# KiCad board Marble.kicad_pcb (continued)
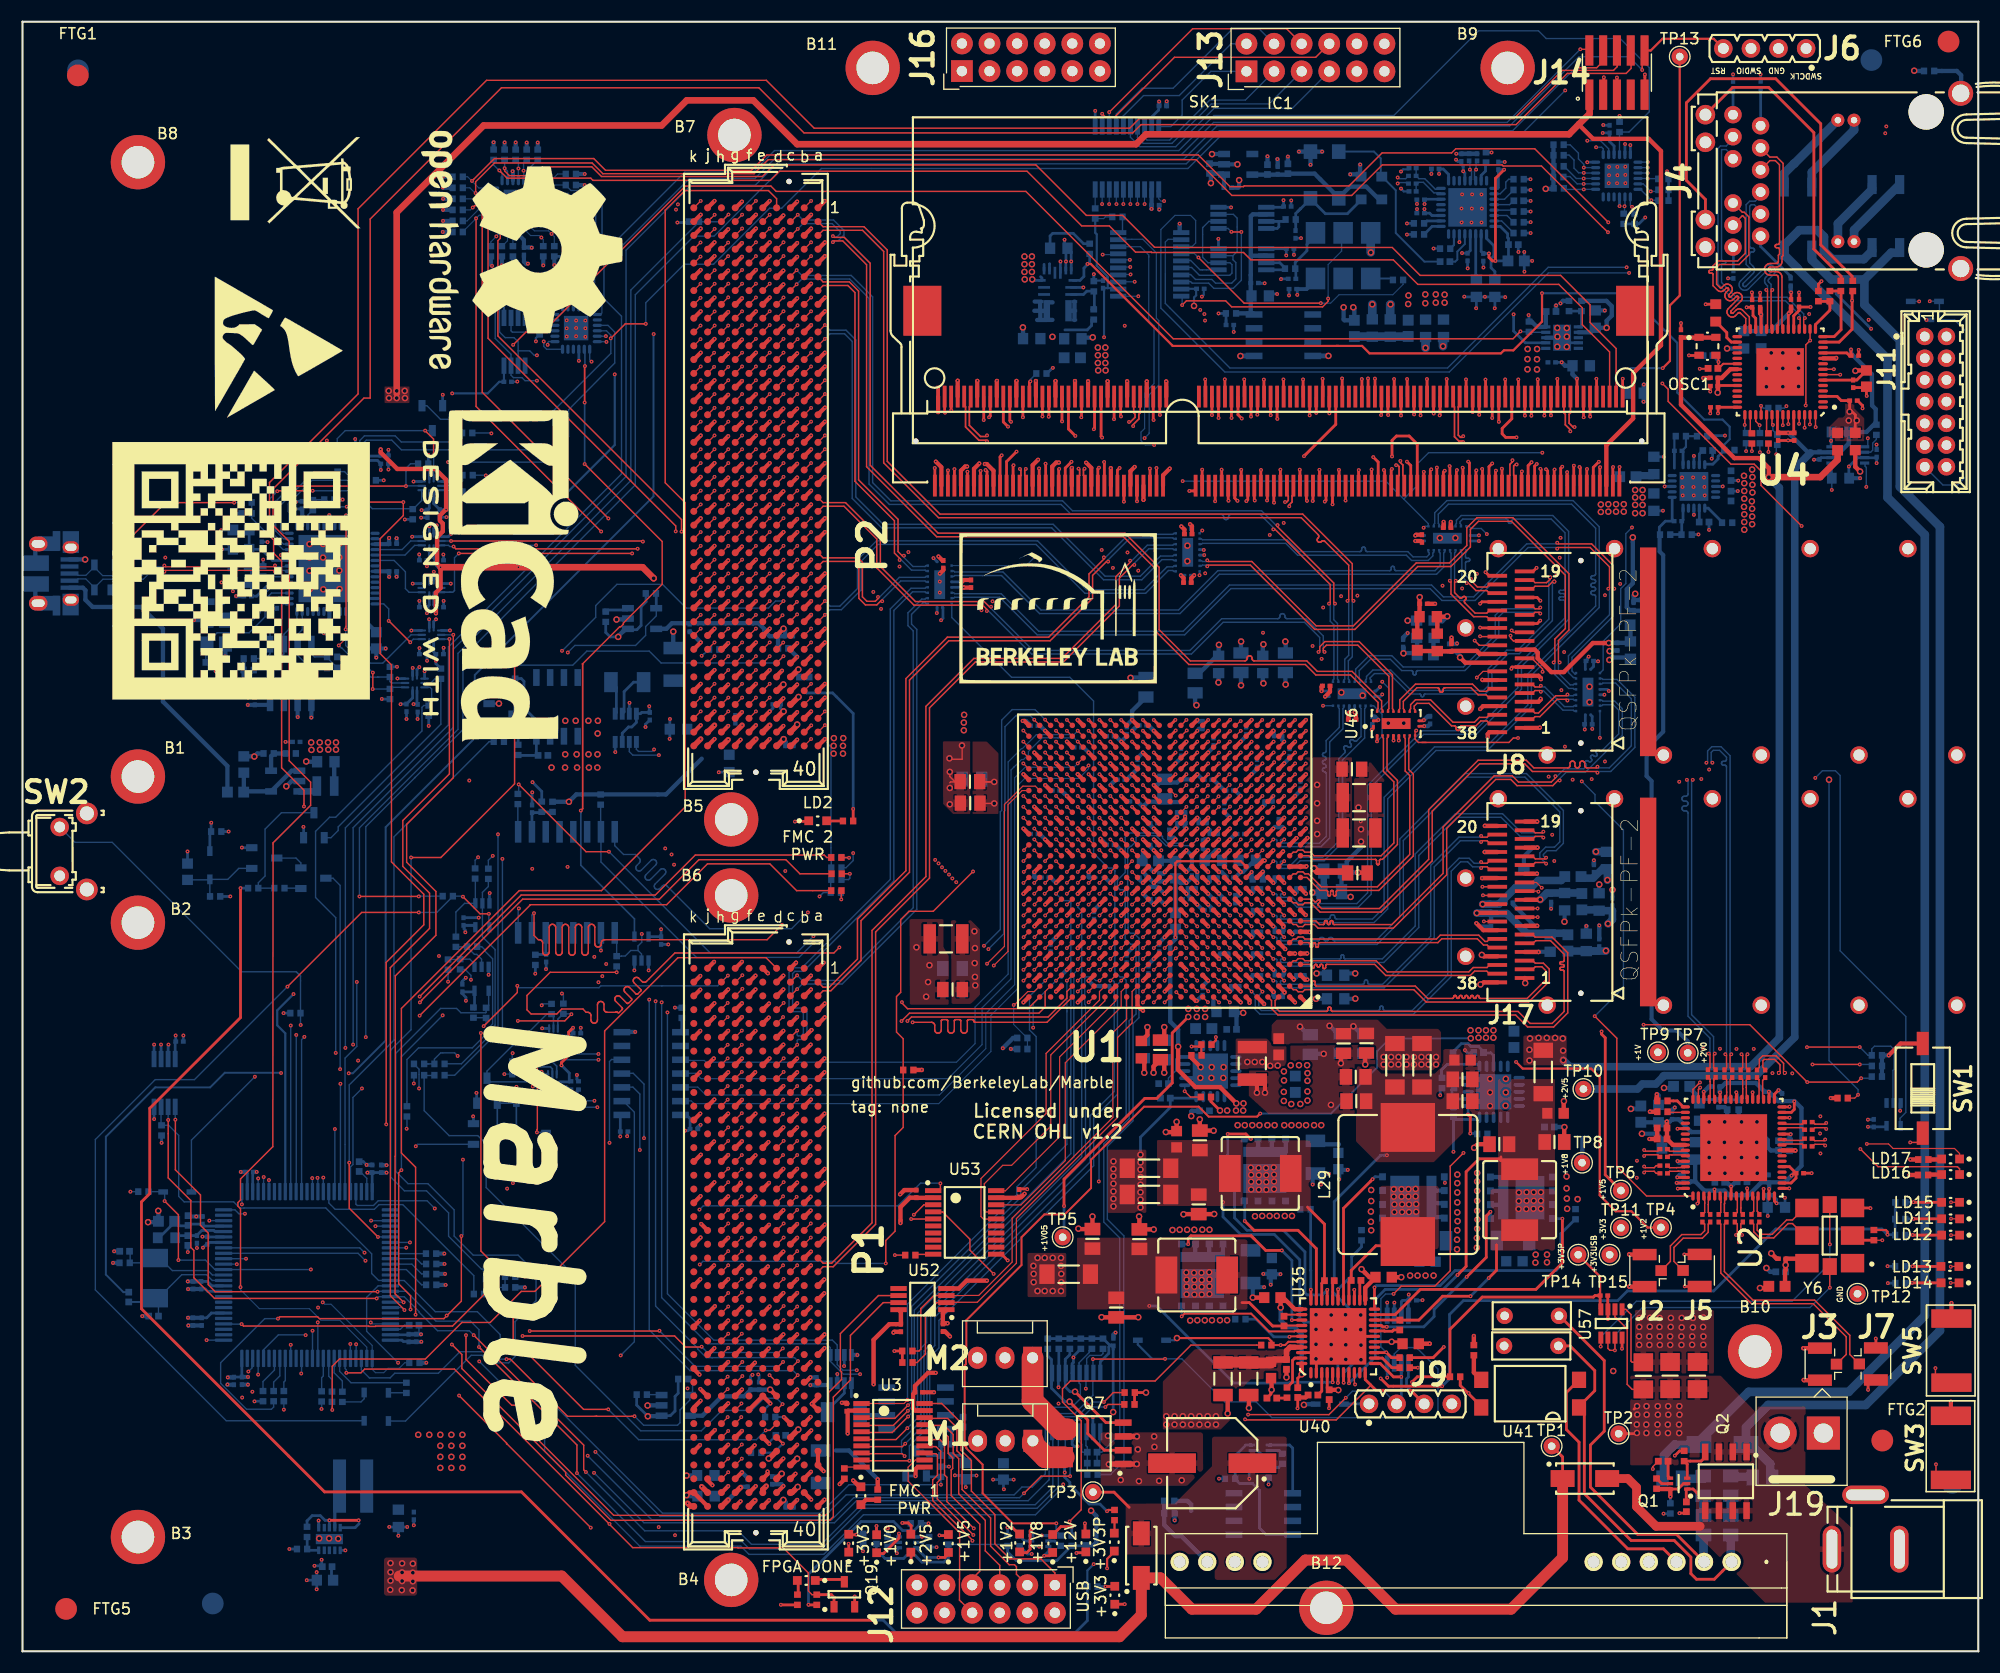
[diagram p0: board, top side]
## Routing (per net, layer and track width the routed paths; a pad name or vN(x,y) marks a point on that pad's centre or on a via; arc(x,y) is an arc through that point) (continued)
/SDRAM/DDR3_DQ10: length 44.3
  Top w0.254: U1.V18 v1(100.12,77.73) ; v1(93.56,108.88) 93.57,108.87 SK1.33
  In9.Cu w0.135: v1(93.56,108.88) 93.56,103.48 93.55,103.45 93.54,103.42 93.53,103.39 93.5,103.37 93.47,103.35 93.44,103.34 93.41,103.33 92.76,103.33 92.73,103.33 92.7,103.32 92.67,103.3 92.64,103.28 92.63,103.25 92.62,103.22 92.61,103.18 92.62,103.15 92.63,103.12 92.64,103.09 92.67,103.07 92.7,103.05 92.73,103.04 92.76,103.03 93.61,103.03 93.62,103.03 93.63,103.03 93.64,103.02 93.65,103.01 93.65,103 93.66,102.99 93.66,102.98 93.66,102.78 93.66,102.77 93.65,102.76 93.65,102.75 93.64,102.74 93.63,102.74 93.62,102.73 93.61,102.73 92.76,102.73 92.73,102.73 92.7,102.72 92.67,102.7 92.64,102.68 92.63,102.65 92.62,102.62 92.61,102.58 92.62,102.55 92.63,102.52 92.64,102.49 92.67,102.47 92.7,102.45 92.73,102.44 92.76,102.43 93.61,102.43 93.62,102.43 93.63,102.43 93.64,102.42 93.65,102.41 93.65,102.4 93.66,102.39 93.66,102.38 93.66,102.18 93.66,102.17 93.65,102.16 93.65,102.15 93.64,102.14 93.63,102.14 93.62,102.13 93.61,102.13 92.76,102.13 92.73,102.13 92.7,102.12 92.67,102.1 92.64,102.08 92.63,102.05 92.62,102.02 92.61,101.98 92.62,101.95 92.63,101.92 92.64,101.89 92.67,101.87 92.7,101.85 92.73,101.84 92.76,101.83 93.61,101.83 93.62,101.83 93.63,101.83 93.64,101.82 93.65,101.81 93.65,101.8 93.66,101.79 93.66,101.78 93.66,101.58 93.66,101.57 93.65,101.56 93.65,101.55 93.64,101.54 93.63,101.54 93.62,101.53 93.61,101.53 92.76,101.53 92.73,101.53 92.7,101.52 92.67,101.5 92.64,101.48 92.63,101.45 92.62,101.42 92.61,101.38 92.62,101.35 92.63,101.32 92.64,101.29 92.67,101.27 92.7,101.25 92.73,101.24 92.76,101.23 93.61,101.23 93.62,101.23 93.63,101.23 93.64,101.22 93.65,101.21 93.65,101.2 93.66,101.19 93.66,101.18 93.66,100.98 93.66,100.97 93.65,100.96 93.65,100.95 93.64,100.94 93.63,100.94 93.62,100.93 93.6,100.93 93.59,100.93 93.58,100.92 93.57,100.91 93.56,100.9 93.56,100.89 93.56,100.88 93.56,100.87 93.56,100.86 93.57,100.85 93.58,100.84 93.59,100.84 93.6,100.83 93.62,100.83 93.63,100.83 93.64,100.82 93.65,100.81 93.65,100.8 93.66,100.79 93.66,100.78 93.66,100.58 93.66,100.57 93.65,100.56 93.65,100.55 93.64,100.54 93.63,100.54 93.62,100.53 93.61,100.53 93.51,100.53 93.5,100.53 93.49,100.53 93.48,100.52 93.47,100.51 93.46,100.5 93.46,100.49 93.46,100.48 93.46,100.28 93.46,100.27 93.46,100.26 93.47,100.25 93.48,100.24 93.49,100.24 93.5,100.23 93.52,100.23 93.53,100.23 93.54,100.22 93.55,100.21 93.55,100.2 93.56,100.19 93.56,100.18 93.56,97.82 100.46,90.91 100.46,78.07 v1(100.12,77.73)
/SDRAM/DDR3_DQ11: length 44.3
  Top w0.254: U1.V19 v1(99.12,77.73) ; SK1.35 94.17,109.31 v1(94.16,109.32)
  In4.Cu w0.135: v1(99.12,77.73) 99.46,78.07 99.46,81.88 97.47,83.87 97.47,93.08 94.22,96.33 94.22,104.67 94.21,104.74 94.19,104.8 94.15,104.86 94.11,104.91 94.05,104.94 93.99,104.96 93.92,104.97 93.64,104.97 93.57,104.98 93.51,105 93.45,105.04 93.41,105.08 93.37,105.14 93.35,105.2 93.34,105.27 93.35,105.34 93.37,105.4 93.41,105.46 93.45,105.51 93.51,105.54 93.57,105.56 93.64,105.57 94.85,105.57 94.91,105.58 94.98,105.6 95.03,105.64 95.08,105.68 95.12,105.74 95.14,105.8 95.15,105.87 95.14,105.94 95.12,106 95.08,106.06 95.03,106.11 94.98,106.14 94.91,106.16 94.85,106.17 93.59,106.17 93.52,106.18 93.46,106.2 93.4,106.24 93.36,106.28 93.32,106.34 93.3,106.4 93.29,106.47 93.3,106.54 93.32,106.6 93.36,106.66 93.4,106.71 93.46,106.74 93.52,106.76 93.59,106.77 94.85,106.77 94.91,106.78 94.98,106.8 95.03,106.84 95.08,106.88 95.12,106.94 95.14,107 95.15,107.07 95.14,107.14 95.12,107.2 95.08,107.26 95.03,107.31 94.98,107.34 94.91,107.36 94.85,107.37 93.59,107.37 93.52,107.38 93.46,107.4 93.4,107.44 93.36,107.48 93.32,107.54 93.3,107.6 93.29,107.67 93.3,107.74 93.32,107.8 93.36,107.86 93.4,107.91 93.46,107.94 93.52,107.96 93.59,107.97 93.92,107.97 93.99,107.98 94.05,108 94.11,108.04 94.15,108.08 94.19,108.14 94.21,108.2 94.22,108.27 94.22,108.56 94.16,108.62 v1(94.16,109.32)
/SDRAM/DDR3_DQ12: length 44.3
  Top w0.11: 102.12,77.73 v1(102.12,77.73)
  Top w0.254: v1(90.7,112.73) 90.27,113.16 SK1.22 ; U1.V16 102.12,77.73
  In9.Cu w0.135: v1(102.12,77.73) 101.74,78.11 101.74,89.15 101.51,89.38 101.51,92.8 94.95,99.36 94.95,109.99 92.21,112.73 v1(90.7,112.73)
/SDRAM/DDR3_DQ13: length 44.4
  Top w0.11: 102.12,78.73 v1(102.12,78.73)
  Top w0.254: v1(90.98,113.17) 90.87,113.28 SK1.24 ; U1.W16 102.12,78.73
  In9.Cu w0.135: v1(90.98,113.17) 92.49,113.17 95.77,109.89 95.77,108.7 95.65,108.59 95.65,108.04 95.65,108 95.63,107.96 95.61,107.92 95.58,107.89 95.54,107.87 95.5,107.85 95.42,107.84 95.38,107.83 95.34,107.81 95.31,107.78 95.29,107.74 95.27,107.7 95.27,107.65 95.27,107.44 95.27,107.4 95.29,107.36 95.31,107.32 95.34,107.29 95.38,107.27 95.42,107.25 95.46,107.25 95.65,107.25 95.65,107.22 95.75,107.22 95.77,107.21 95.79,107.21 95.81,107.2 95.82,107.18 95.83,107.16 95.84,107.14 95.84,107.12 95.84,106.71 95.84,106.69 95.83,106.67 95.82,106.65 95.81,106.64 95.79,106.63 95.77,106.62 95.73,106.61 95.71,106.61 95.69,106.6 95.67,106.58 95.66,106.56 95.66,106.54 95.65,106.52 95.65,99.55 102.68,92.52 102.68,86.69 102.47,86.49 102.47,79.09 v1(102.12,78.73)
/SDRAM/DDR3_DQ14: length 53.9
  Top w0.254: SK1.34 93.87,113.67 v1(93.88,113.67) ; U1.V14 v1(104.12,77.73)
  In9.Cu w0.135: v1(104.12,77.73) 104.67,78.28 104.67,86.34 ; 104.67,86.34 104.67,86.41 ; 104.67,86.34 104.67,93.97 102.7,95.94 102.66,95.99 102.63,96.05 102.62,96.12 102.62,96.18 102.63,96.25 102.66,96.31 102.7,96.36 102.94,96.6 102.98,96.65 103.01,96.71 103.03,96.78 103.03,96.85 103.01,96.91 102.98,96.97 102.94,97.02 102.89,97.07 102.83,97.09 102.76,97.11 102.69,97.11 102.63,97.09 102.57,97.07 102.51,97.02 101.86,96.37 101.81,96.33 101.75,96.3 101.69,96.28 101.62,96.28 101.56,96.3 101.5,96.33 101.45,96.37 101.44,96.38 101.39,96.43 101.37,96.49 101.35,96.55 101.35,96.62 101.37,96.68 101.39,96.74 101.44,96.79 102.09,97.45 102.13,97.5 102.16,97.56 102.18,97.63 102.18,97.69 102.16,97.76 102.13,97.82 102.09,97.87 102.04,97.91 101.98,97.94 101.91,97.96 101.84,97.96 101.78,97.94 101.72,97.91 101.67,97.87 101.22,97.42 101.21,97.43 101.01,97.22 100.95,97.18 100.9,97.15 100.83,97.14 100.77,97.14 100.7,97.15 100.64,97.18 100.59,97.22 100.58,97.23 100.54,97.28 100.51,97.34 100.5,97.41 100.5,97.47 100.51,97.54 100.54,97.6 100.62,97.7 100.65,97.76 100.66,97.82 100.66,97.89 100.65,97.95 100.62,98.01 100.58,98.06 98.56,100.08 98.56,102.6 98.57,102.67 98.59,102.73 98.63,102.79 98.67,102.84 98.73,102.87 98.8,102.9 98.86,102.9 99.21,102.9 99.28,102.91 99.34,102.93 99.4,102.97 99.45,103.02 99.48,103.07 99.5,103.14 99.51,103.2 99.5,103.27 99.48,103.33 99.45,103.39 99.4,103.44 99.34,103.47 99.28,103.5 99.21,103.5 98.86,103.5 98.8,103.51 98.73,103.53 98.67,103.57 98.63,103.62 98.59,103.67 98.57,103.74 98.56,103.8 98.57,103.87 98.59,103.93 98.63,103.99 98.67,104.04 98.73,104.07 98.8,104.1 98.86,104.1 99.21,104.1 99.28,104.11 99.34,104.13 99.4,104.17 99.45,104.22 99.48,104.27 99.5,104.34 99.51,104.4 99.5,104.47 99.48,104.53 99.45,104.59 99.4,104.64 99.34,104.67 99.28,104.7 99.21,104.7 98.26,104.7 98.2,104.71 98.13,104.73 98.07,104.77 98.03,104.82 97.99,104.87 97.97,104.94 97.96,105 97.97,105.07 97.99,105.13 98.03,105.19 98.07,105.24 98.13,105.27 98.2,105.3 98.33,105.31 98.39,105.33 98.45,105.37 98.5,105.42 98.53,105.47 98.55,105.54 98.56,105.6 98.56,105.9 99.42,106.75 99.42,109.12 99.16,109.37 99.16,110.39 95.56,113.99 94.2,113.99 v1(93.88,113.67)
/SDRAM/DDR3_DQ15: length 53.1
  Top w0.254: U1.W14 v1(104.12,78.73) ; SK1.36 94.47,113.66 v1(94.45,113.64)
  In9.Cu w0.135: 103.72,86.54 103.72,86.62 ; 103.72,86.54 103.72,93.69 99.37,98.04 99.33,98.09 99.3,98.15 99.29,98.21 99.29,98.28 99.3,98.34 99.33,98.4 99.41,98.5 99.44,98.56 99.45,98.62 99.45,98.69 99.44,98.75 99.41,98.81 99.37,98.86 99.36,98.87 99.31,98.91 99.25,98.94 99.18,98.96 99.12,98.96 99.06,98.94 99,98.91 98.95,98.87 98.74,98.67 98.73,98.67 98.53,98.47 98.48,98.43 98.42,98.4 98.36,98.39 98.29,98.39 98.23,98.4 98.17,98.43 98.12,98.47 98.11,98.48 98.06,98.53 98.04,98.59 98.02,98.66 98.02,98.72 98.04,98.78 98.06,98.84 98.15,98.94 98.17,99 98.19,99.07 98.19,99.13 98.17,99.19 98.15,99.25 98.11,99.3 97.79,99.62 97.79,100.02 97.79,100.08 97.81,100.13 97.84,100.17 97.88,100.21 97.92,100.24 97.97,100.26 98.08,100.27 98.13,100.29 98.18,100.31 98.22,100.35 98.24,100.4 98.26,100.45 98.27,100.5 98.27,100.62 98.26,100.68 98.24,100.73 98.22,100.77 98.18,100.81 98.13,100.84 98.08,100.86 98.03,100.86 97.16,100.86 97.09,100.87 97.03,100.89 96.97,100.93 96.92,100.98 96.89,101.03 96.86,101.1 96.86,101.16 96.86,101.23 96.89,101.29 96.92,101.35 96.97,101.4 97.03,101.43 97.09,101.45 97.16,101.46 98.03,101.46 98.08,101.47 98.13,101.49 98.18,101.51 98.22,101.55 98.24,101.6 98.26,101.65 98.27,101.7 98.27,101.82 98.26,101.88 98.24,101.93 98.22,101.97 98.18,102.01 98.13,102.04 98.08,102.06 98.03,102.06 97.16,102.06 97.09,102.07 97.03,102.09 96.97,102.13 96.92,102.18 96.89,102.23 96.86,102.3 96.86,102.36 96.86,102.43 96.89,102.49 96.92,102.55 96.97,102.6 97.03,102.63 97.09,102.65 97.16,102.66 98.03,102.66 98.08,102.67 98.13,102.69 98.18,102.71 98.22,102.75 98.24,102.8 98.26,102.85 98.27,102.9 98.27,103.02 98.26,103.08 98.24,103.13 98.22,103.17 98.18,103.21 98.13,103.24 98.08,103.26 98.03,103.26 97.16,103.26 97.09,103.27 97.03,103.29 96.97,103.33 96.92,103.38 96.89,103.43 96.86,103.5 96.86,103.56 96.86,103.63 96.89,103.69 96.92,103.75 96.97,103.8 97.03,103.83 97.09,103.85 97.16,103.86 98.03,103.86 98.08,103.87 98.13,103.89 98.18,103.91 98.22,103.95 98.24,104 98.26,104.05 98.27,104.1 98.27,104.22 98.26,104.28 98.24,104.33 98.22,104.37 98.18,104.41 98.13,104.44 98.08,104.46 98.03,104.46 97.16,104.46 97.09,104.47 97.03,104.49 96.97,104.53 96.92,104.58 96.89,104.63 96.86,104.7 96.86,104.76 96.86,104.83 96.89,104.89 96.92,104.95 96.97,105 97.03,105.03 97.09,105.05 97.16,105.06 97.49,105.06 97.55,105.07 97.62,105.09 97.67,105.13 97.72,105.18 97.76,105.23 97.78,105.3 97.79,105.36 97.79,106 98.73,106.94 98.73,109.36 v1(94.45,113.64) ; 103.72,86.54 103.72,79.38 104.12,78.98 v1(104.12,78.73)
/SDRAM/DDR3_DQ16: length 38.6
  Top w0.11: 98.12,80.73 v1(98.12,80.73)
  Top w0.254: SK1.39 95.37,108.79 v1(95.41,108.83) ; U1.AA20 98.12,80.73
  In2.Cu w0.135: v1(98.12,80.73) 98.46,81.08 98.46,87.77 97.25,88.98 97.25,92.93 96.84,93.34 96.79,93.38 96.73,93.41 96.66,93.43 96.59,93.43 96.53,93.41 96.47,93.38 96.42,93.34 96.22,93.14 96.16,93.1 96.1,93.07 96.04,93.06 95.97,93.06 95.91,93.07 95.84,93.1 95.79,93.14 95.75,93.2 95.72,93.26 95.71,93.32 95.71,93.39 95.72,93.45 95.75,93.51 95.79,93.57 96.34,94.11 96.37,94.15 96.38,94.19 96.39,94.23 96.39,94.27 96.38,94.31 96.37,94.35 96.34,94.38 96.19,94.54 96.15,94.57 96.11,94.58 96.07,94.59 96.03,94.59 95.99,94.58 95.95,94.57 95.91,94.54 95.37,93.99 95.32,93.95 95.25,93.92 95.19,93.91 95.12,93.91 95.06,93.92 95,93.95 94.94,93.99 94.9,94.04 94.87,94.1 94.86,94.17 94.86,94.24 94.87,94.3 94.9,94.36 94.94,94.42 95.49,94.96 95.52,95 95.54,95.03 95.55,95.08 95.55,95.12 95.54,95.16 95.52,95.2 95.49,95.23 95.34,95.39 95.3,95.41 95.26,95.43 95.22,95.44 95.18,95.44 95.14,95.43 95.1,95.41 95.07,95.39 94.52,94.84 94.47,94.8 94.41,94.77 94.34,94.75 94.27,94.75 94.21,94.77 94.15,94.8 94.1,94.84 94.05,94.89 94.02,94.95 94.01,95.02 94.01,95.09 94.02,95.15 94.05,95.21 94.1,95.26 94.29,95.46 94.34,95.52 94.37,95.58 94.38,95.64 94.38,95.71 94.37,95.78 94.34,95.84 94.29,95.89 93.81,96.37 93.81,107.23 v1(95.41,108.83)
/SDRAM/DDR3_DQ17: length 38.6
  Top w0.254: U1.AD19 v1(99.12,83.73) ; SK1.41 95.97,108.92 v1(96.54,109.49)
  In4.Cu w0.135: v1(99.12,83.73) 99.58,84.19 99.58,95.75 99.57,95.82 99.55,95.89 99.51,95.94 99.46,95.99 99.41,96.03 99.34,96.05 99.28,96.05 98.94,96.05 98.87,96.06 98.81,96.08 98.75,96.12 98.7,96.17 98.67,96.22 98.64,96.29 98.64,96.35 98.64,96.42 98.67,96.49 98.7,96.54 98.75,96.59 98.81,96.63 98.87,96.65 98.94,96.65 99.28,96.65 99.34,96.66 99.41,96.68 99.46,96.72 99.51,96.77 99.55,96.82 99.57,96.89 99.58,96.95 98.95,97.59 98.89,97.63 98.83,97.66 98.77,97.67 98.7,97.67 98.64,97.66 98.58,97.63 98.48,97.55 98.42,97.52 98.35,97.5 98.28,97.5 98.22,97.52 98.16,97.55 98.11,97.59 98.1,97.59 98.06,97.64 98.03,97.7 98.02,97.77 98.02,97.84 98.03,97.9 98.06,97.96 98.1,98.01 98.31,98.22 98.31,98.22 98.48,98.4 98.52,98.44 98.54,98.49 98.55,98.54 98.55,98.6 98.54,98.65 98.52,98.7 98.48,98.75 98.41,98.82 98.36,98.86 98.31,98.88 98.26,98.89 98.21,98.89 98.15,98.88 98.1,98.86 98.02,98.79 97.97,98.76 97.91,98.75 97.86,98.75 97.8,98.76 97.75,98.79 97.71,98.82 97.71,100.24 97.71,100.25 97.72,100.26 97.72,100.27 97.73,100.27 97.74,100.28 97.75,100.28 97.77,100.29 97.78,100.29 97.79,100.3 97.8,100.3 97.81,100.31 97.81,100.32 97.81,100.34 97.81,100.84 97.81,100.85 97.81,100.86 97.8,100.87 97.79,100.87 97.78,100.88 97.77,100.88 97.76,100.89 97.51,100.89 97.47,100.89 97.43,100.91 97.39,100.93 97.36,100.96 97.34,101 97.32,101.04 97.32,101.08 97.32,101.29 97.32,101.33 97.34,101.37 97.36,101.41 97.39,101.44 97.43,101.47 97.47,101.48 97.51,101.49 97.76,101.49 97.77,101.49 97.78,101.49 97.79,101.5 97.8,101.5 97.81,101.51 97.81,101.52 97.81,101.54 97.81,102.04 97.81,102.05 97.81,102.06 97.8,102.07 97.79,102.07 97.78,102.08 97.77,102.08 97.76,102.09 97.71,102.09 97.71,102.09 97.51,102.09 97.47,102.09 97.43,102.11 97.39,102.13 97.36,102.16 97.34,102.2 97.32,102.24 97.32,102.29 97.32,102.49 97.32,102.54 97.34,102.58 97.36,102.62 97.39,102.65 97.43,102.67 97.47,102.68 97.56,102.69 97.6,102.71 97.64,102.73 97.67,102.76 97.69,102.8 97.71,102.84 97.71,102.89 98.11,103.29 98.11,104.29 98.12,104.32 98.13,104.35 98.14,104.37 98.16,104.39 98.18,104.4 98.21,104.41 98.26,104.42 98.29,104.43 98.31,104.44 98.33,104.46 98.34,104.48 98.35,104.51 98.36,104.54 98.36,104.89 98.35,104.92 98.34,104.95 98.33,104.97 98.31,104.99 98.29,105 98.26,105.01 98.23,105.02 97.99,105.02 97.97,105.02 97.94,105.03 97.92,105.04 97.9,105.06 97.88,105.08 97.87,105.11 97.87,105.14 97.87,105.49 97.87,105.52 97.88,105.55 97.9,105.57 97.92,105.59 97.94,105.6 97.97,105.61 97.99,105.62 98.23,105.62 98.26,105.62 98.29,105.63 98.31,105.64 98.33,105.66 98.34,105.68 98.35,105.71 98.36,105.74 98.36,106.09 98.35,106.12 98.34,106.15 98.33,106.17 98.31,106.19 98.29,106.2 98.26,106.21 98.23,106.22 97.99,106.22 97.97,106.22 97.94,106.23 97.92,106.24 97.9,106.26 97.88,106.28 97.87,106.31 97.87,106.34 97.87,106.69 97.87,106.72 97.88,106.75 97.9,106.77 97.92,106.79 97.94,106.8 97.97,106.81 97.99,106.82 98.23,106.82 98.26,106.82 98.29,106.83 98.31,106.84 98.33,106.86 98.34,106.88 98.35,106.91 98.36,106.94 98.36,107.29 98.35,107.32 98.34,107.35 98.33,107.37 98.31,107.39 98.29,107.4 98.26,107.41 98.23,107.42 98.11,107.42 98.11,107.42 97.99,107.42 97.97,107.42 97.94,107.43 97.92,107.45 97.9,107.46 97.88,107.49 97.87,107.51 97.87,107.54 97.87,107.9 97.87,107.93 97.88,107.95 97.9,107.97 97.92,107.99 97.94,108.01 97.97,108.02 98.02,108.02 98.05,108.03 98.07,108.05 98.09,108.06 98.1,108.09 98.11,108.11 98.11,108.14 98.11,108.41 98.23,108.53 98.23,109.58 97.94,109.87 96.92,109.87 v1(96.54,109.49)
/SDRAM/DDR3_DQ18: length 38.6
  Top w0.254: v1(99.07,108.95) 98.97,108.85 SK1.51 ; U1.AB17 v1(101.12,81.73)
  In2.Cu w0.135: v1(101.12,81.73) 100.46,82.39 100.46,93.97 98,96.44 97.96,96.49 97.93,96.54 97.92,96.6 97.92,96.66 97.93,96.72 97.96,96.78 98.03,96.87 98.06,96.92 98.07,96.98 98.07,97.04 98.06,97.1 98.03,97.16 98,97.2 97.99,97.21 97.94,97.25 97.89,97.28 97.83,97.29 97.77,97.29 97.71,97.28 97.65,97.25 97.61,97.21 97.31,96.92 97.29,96.9 97.26,96.88 97.23,96.88 97.2,96.88 97.16,96.88 97.13,96.9 97.11,96.92 96.92,97.1 96.9,97.13 96.89,97.16 96.88,97.19 96.88,97.22 96.89,97.25 96.9,97.28 96.92,97.31 97.22,97.6 97.26,97.65 97.28,97.7 97.3,97.76 97.3,97.82 97.28,97.88 97.26,97.94 97.22,97.98 97.21,97.99 97.16,98.03 97.11,98.05 97.05,98.07 96.99,98.07 96.93,98.05 96.88,98.03 96.83,97.99 96.64,97.8 96.63,97.8 96.53,97.7 96.51,97.68 96.48,97.67 96.45,97.66 96.41,97.66 96.38,97.67 96.35,97.68 96.33,97.7 96.14,97.88 96.12,97.91 96.11,97.94 96.1,97.97 96.1,98 96.11,98.03 96.12,98.06 96.16,98.11 96.18,98.14 96.18,98.18 96.18,98.21 96.18,98.24 96.16,98.27 96.14,98.29 96.07,98.36 96.07,99.01 96.07,99.03 96.06,99.05 96.05,99.07 96.04,99.08 96.02,99.09 96,99.1 95.96,99.1 95.94,99.11 95.92,99.12 95.9,99.14 95.89,99.15 95.89,99.17 95.88,99.2 95.88,99.56 95.89,99.58 95.89,99.6 95.9,99.62 95.92,99.63 95.94,99.64 95.96,99.65 95.98,99.65 96.29,99.65 96.34,99.66 96.39,99.67 96.43,99.7 96.46,99.73 96.49,99.78 96.51,99.82 96.51,99.87 96.51,99.98 96.51,100.03 96.49,100.08 96.46,100.12 96.43,100.15 96.39,100.18 96.34,100.2 96.29,100.2 95.98,100.2 95.96,100.2 95.94,100.21 95.92,100.22 95.9,100.24 95.89,100.25 95.89,100.27 95.88,100.3 95.88,100.66 95.89,100.68 95.89,100.7 95.9,100.72 95.92,100.73 95.94,100.74 95.96,100.75 95.98,100.75 96.29,100.75 96.34,100.76 96.39,100.77 96.43,100.8 96.46,100.83 96.49,100.88 96.51,100.92 96.51,100.97 96.51,101.08 96.51,101.13 96.49,101.18 96.46,101.22 96.43,101.25 96.39,101.28 96.34,101.3 96.29,101.3 95.98,101.3 95.96,101.3 95.94,101.31 95.92,101.32 95.9,101.34 95.89,101.35 95.89,101.37 95.88,101.4 95.88,101.76 95.89,101.78 95.89,101.8 95.9,101.82 95.92,101.83 95.94,101.84 95.96,101.85 95.98,101.85 96.29,101.85 96.34,101.86 96.39,101.87 96.43,101.9 96.46,101.93 96.49,101.98 96.51,102.02 96.51,102.07 96.51,102.18 96.51,102.23 96.49,102.28 96.46,102.32 96.43,102.35 96.39,102.38 96.34,102.4 96.29,102.4 96.07,102.4 96.07,102.41 95.98,102.41 95.96,102.41 95.94,102.42 95.92,102.43 95.9,102.44 95.89,102.46 95.89,102.48 95.88,102.5 95.88,102.86 95.89,102.88 95.89,102.9 95.9,102.92 95.92,102.94 95.94,102.95 95.96,102.95 96,102.96 96.02,102.97 96.04,102.98 96.05,102.99 96.06,103.01 96.07,103.03 96.07,103.05 96.07,103.29 99.07,106.29 v1(99.07,108.95)
/SDRAM/DDR3_DQ19: length 38.5
  Top w0.254: v1(99.55,109.47) 99.57,109.45 SK1.53 ; U1.AC17 v1(101.12,82.73)
  In2.Cu w0.135: v1(101.12,82.73) 100.78,83.07 100.78,94.83 100.42,95.19 100.38,95.23 100.36,95.28 100.35,95.34 100.35,95.39 100.36,95.45 100.38,95.5 100.45,95.58 100.47,95.63 100.49,95.69 100.49,95.74 100.47,95.8 100.45,95.85 100.42,95.89 100.38,95.93 100.33,95.96 100.28,95.99 100.23,96 100.17,96 100.12,95.99 100.07,95.96 100.03,95.93 99.85,95.75 99.85,95.76 99.66,95.56 99.61,95.53 99.56,95.5 99.5,95.49 99.44,95.49 99.38,95.5 99.32,95.53 99.27,95.56 99.27,95.57 99.23,95.61 99.2,95.67 99.19,95.73 99.19,95.79 99.2,95.85 99.23,95.9 99.27,95.95 99.64,96.32 99.67,96.36 99.69,96.41 99.71,96.47 99.71,96.52 99.69,96.58 99.67,96.63 99.64,96.67 99.6,96.71 99.55,96.74 99.5,96.77 99.45,96.78 99.39,96.78 99.34,96.77 99.29,96.74 99.25,96.71 98.88,96.34 98.83,96.3 98.78,96.28 98.72,96.26 98.66,96.26 98.6,96.28 98.54,96.3 98.5,96.34 98.49,96.35 98.45,96.39 98.43,96.45 98.41,96.51 98.41,96.57 98.43,96.63 98.45,96.68 98.49,96.73 98.86,97.1 98.89,97.14 98.92,97.19 98.93,97.24 98.93,97.3 98.92,97.35 98.89,97.4 98.86,97.45 98.82,97.49 98.78,97.52 98.73,97.54 98.67,97.56 98.62,97.56 98.56,97.54 98.51,97.52 98.43,97.45 98.38,97.43 98.32,97.41 98.27,97.41 98.21,97.43 98.16,97.45 98.12,97.49 98.12,97.49 98.08,97.53 98.06,97.58 98.05,97.63 98.05,97.69 98.06,97.74 98.08,97.79 98.15,97.88 98.18,97.93 98.19,97.98 98.19,98.04 98.18,98.09 98.15,98.14 98.12,98.19 98.08,98.23 98.04,98.26 97.99,98.28 97.93,98.3 97.88,98.3 97.82,98.28 97.77,98.26 97.69,98.19 97.64,98.17 97.58,98.16 97.53,98.16 97.47,98.17 97.42,98.19 97.38,98.23 96.77,98.83 96.77,98.86 96.76,98.89 96.74,98.91 96.73,98.93 96.7,98.94 96.68,98.95 96.62,98.96 96.6,98.97 96.57,98.98 96.55,99 96.54,99.03 96.53,99.05 96.53,99.08 96.53,99.38 96.53,99.41 96.54,99.44 96.55,99.46 96.57,99.48 96.6,99.49 96.62,99.5 96.65,99.51 96.77,99.51 96.77,99.51 96.94,99.51 96.98,99.51 97.02,99.53 97.05,99.55 97.08,99.57 97.1,99.61 97.11,99.64 97.12,99.68 97.12,99.89 97.11,99.93 97.1,99.96 97.08,99.99 97.05,100.02 97.02,100.04 96.98,100.06 96.9,100.06 96.87,100.08 96.84,100.1 96.81,100.12 96.79,100.16 96.78,100.19 96.77,100.23 96.77,100.23 96.78,100.27 96.79,100.31 96.81,100.34 96.84,100.37 96.87,100.39 96.9,100.4 96.98,100.41 97.02,100.42 97.05,100.44 97.08,100.47 97.1,100.5 97.11,100.54 97.12,100.58 97.12,100.78 97.11,100.82 97.1,100.86 97.08,100.89 97.05,100.92 97.02,100.94 96.98,100.95 96.9,100.96 96.87,100.97 96.84,100.99 96.81,101.02 96.79,101.05 96.78,101.09 96.77,101.13 96.77,101.33 96.78,101.37 96.79,101.41 96.81,101.44 96.84,101.47 96.87,101.49 96.9,101.5 96.98,101.51 97.02,101.52 97.05,101.54 97.08,101.57 97.1,101.6 97.11,101.64 97.12,101.68 97.12,101.88 97.11,101.92 97.1,101.96 97.08,101.99 97.05,102.02 97.02,102.04 96.98,102.05 96.9,102.06 96.87,102.07 96.84,102.09 96.81,102.12 96.79,102.15 96.78,102.19 96.77,102.23 96.77,103.03 99.55,105.8 v1(99.55,109.47)
/SDRAM/DDR3_DQ20: length 38.5
  Top w0.254: v1(95.68,113.21) 95.67,113.22 SK1.40 ; U1.AA19 v1(99.12,80.73)
  In2.Cu w0.135: v1(99.12,80.73) 98.78,81.07 98.78,92.45 94.59,96.64 94.59,107.25 95.78,108.45 95.78,111.43 95.78,111.47 95.76,111.51 95.74,111.55 95.71,111.58 95.67,111.6 95.63,111.61 95.55,111.62 95.51,111.64 95.47,111.66 95.44,111.69 95.42,111.73 95.4,111.77 95.4,111.81 95.4,112.03 95.4,112.07 95.42,112.11 95.44,112.15 95.47,112.18 95.51,112.2 95.55,112.21 95.59,112.22 95.83,112.22 95.84,112.22 95.85,112.22 95.86,112.23 95.87,112.24 95.88,112.25 95.88,112.26 95.88,112.27 95.88,112.77 95.88,112.78 95.88,112.79 95.87,112.8 95.86,112.81 95.85,112.81 95.84,112.82 95.82,112.82 95.81,112.82 95.8,112.83 95.79,112.84 95.79,112.85 95.78,112.86 95.78,112.87 95.78,113.11 v1(95.68,113.21)
/SDRAM/DDR3_DQ21: length 38.5
  Top w0.254: v1(96.9,111.88) 96.26,112.51 96.26,114.24 96.27,114.24 SK1.42 ; U1.AB19 v1(99.12,81.73)
  In2.Cu w0.135: v1(96.9,111.88) 98.42,110.35 98.42,106.49 95.63,103.7 95.63,97.67 99.78,93.52 99.78,82.39 v1(99.12,81.73)
/SDRAM/DDR3_DQ22: length 38.5
  Top w0.254: U1.AD18 v1(100.12,83.73) ; SK1.50 98.67,112.56 v1(98.6,112.49)
  In4.Cu w0.135: v1(100.12,83.73) 100.47,84.08 100.47,86.73 100.46,86.8 100.44,86.86 100.4,86.92 100.35,86.97 100.3,87 100.23,87.02 100.17,87.03 100.13,87.03 100.06,87.04 100,87.06 99.94,87.1 99.89,87.14 99.86,87.2 99.84,87.26 99.83,87.33 99.84,87.4 99.86,87.46 99.89,87.52 99.94,87.57 100,87.6 100.06,87.62 100.13,87.63 100.17,87.63 100.23,87.64 100.3,87.66 100.35,87.7 100.4,87.74 100.44,87.8 100.46,87.86 100.47,87.93 100.46,88 100.44,88.06 100.4,88.12 100.35,88.17 100.3,88.2 100.23,88.22 100.17,88.23 100.13,88.23 100.06,88.24 100,88.26 99.94,88.3 99.89,88.34 99.86,88.4 99.84,88.46 99.83,88.53 99.84,88.6 99.86,88.66 99.89,88.72 99.94,88.77 100,88.8 100.06,88.82 100.13,88.83 100.17,88.83 100.23,88.84 100.3,88.86 100.35,88.9 100.4,88.94 100.44,89 100.46,89.06 100.47,89.13 100.46,89.2 100.44,89.26 100.4,89.32 100.35,89.37 100.3,89.4 100.23,89.42 100.17,89.43 100.13,89.43 100.06,89.44 100,89.46 99.94,89.5 99.89,89.54 99.86,89.6 99.84,89.66 99.83,89.73 99.84,89.8 99.86,89.86 99.89,89.92 99.94,89.97 100,90 100.06,90.02 100.13,90.03 100.17,90.03 100.23,90.04 100.3,90.06 100.35,90.1 100.4,90.14 100.44,90.2 100.46,90.26 100.47,90.33 100.46,90.4 100.44,90.46 100.4,90.52 100.35,90.57 100.3,90.6 100.23,90.62 100.17,90.63 100.13,90.63 100.06,90.64 100,90.66 99.94,90.7 99.89,90.74 99.86,90.8 99.84,90.86 99.83,90.93 99.84,91 99.86,91.06 99.89,91.12 99.94,91.17 100,91.2 100.06,91.22 100.13,91.23 100.17,91.23 100.23,91.24 100.3,91.26 100.35,91.3 100.4,91.34 100.44,91.4 100.46,91.46 100.47,91.53 100.46,91.6 100.44,91.66 100.4,91.72 100.35,91.77 100.3,91.8 100.23,91.82 100.17,91.83 100.13,91.83 100.06,91.84 100,91.86 99.94,91.9 99.89,91.94 99.86,92 99.84,92.06 99.83,92.13 99.84,92.2 99.86,92.26 99.89,92.32 99.94,92.37 100,92.4 100.06,92.42 100.13,92.43 100.17,92.43 100.23,92.44 100.3,92.46 100.35,92.5 100.4,92.54 100.44,92.6 100.46,92.66 100.47,92.73 100.46,92.8 100.44,92.86 100.4,92.92 100.35,92.97 100.3,93 100.23,93.02 100.17,93.03 100.13,93.03 100.06,93.04 100,93.06 99.94,93.1 99.89,93.14 99.86,93.2 99.84,93.26 99.83,93.33 99.84,93.4 99.86,93.46 99.89,93.52 99.94,93.57 100,93.6 100.06,93.62 100.13,93.63 100.17,93.63 100.23,93.64 100.3,93.66 100.35,93.7 100.4,93.74 100.44,93.8 100.46,93.86 100.47,93.93 100.47,97.13 98.07,99.53 98.07,102.5 98.62,103.06 98.62,108.41 98.72,108.5 98.72,112.13 98.6,112.24 v1(98.6,112.49)
/SDRAM/DDR3_DQ23: length 38.5
  Top w0.254: v1(99.36,111.73) 99.27,111.82 SK1.52 ; U1.AC18 v1(100.12,82.73)
  In4.Cu w0.135: v1(99.36,111.73) 99.19,111.55 99.19,109.33 99.42,109.1 99.42,108.79 99.36,108.73 99.36,102.91 98.51,102.06 98.51,99.69 99.89,98.31 99.94,98.27 100,98.24 100.07,98.22 100.13,98.22 100.2,98.24 100.26,98.27 100.31,98.31 100.38,98.38 100.43,98.42 100.5,98.45 100.56,98.47 100.63,98.47 100.69,98.45 100.75,98.42 100.81,98.38 100.85,98.33 100.88,98.27 100.89,98.2 100.89,98.13 100.88,98.07 100.85,98.01 100.81,97.95 100.74,97.88 100.69,97.83 100.67,97.77 100.65,97.71 100.65,97.64 100.67,97.57 100.69,97.51 100.74,97.46 100.77,97.42 100.77,96.7 100.78,96.63 100.8,96.57 100.84,96.51 100.88,96.47 100.94,96.43 101,96.41 101.07,96.4 101.32,96.4 101.39,96.39 101.45,96.37 101.51,96.34 101.56,96.29 101.59,96.23 101.61,96.17 101.62,96.1 101.61,96.03 101.59,95.97 101.56,95.91 101.51,95.87 101.45,95.83 101.39,95.81 101.32,95.8 101.07,95.8 101,95.79 100.94,95.77 100.88,95.74 100.84,95.69 100.8,95.63 100.78,95.57 100.77,95.5 100.78,95.43 100.8,95.37 100.84,95.31 100.88,95.27 100.94,95.23 101,95.21 101.07,95.2 101.32,95.2 101.39,95.19 101.45,95.17 101.51,95.14 101.56,95.09 101.59,95.03 101.61,94.97 101.62,94.9 101.61,94.83 101.59,94.77 101.56,94.71 101.51,94.67 101.45,94.63 101.39,94.61 101.32,94.6 101.07,94.6 101,94.59 100.94,94.57 100.88,94.54 100.84,94.49 100.8,94.43 100.78,94.37 100.77,94.3 100.77,83.38 v1(100.12,82.73)